# Altium PCB graviton.PcbDoc (part 2 of 15)
Units mm, origin at the board's own origin, x right, y up, seen from the top; angles counter-clockwise.
Board outline 200 x 200 mm, 10 copper layers (TOP, POLYGON1, S1, POLYGON2, POLYGON3, POLYGON4, POLYGON5, S2, POLYGON6, BOT), stack 1.751 mm thick; 1317 components, 712 nets, 5121 pads, 3994 vias.
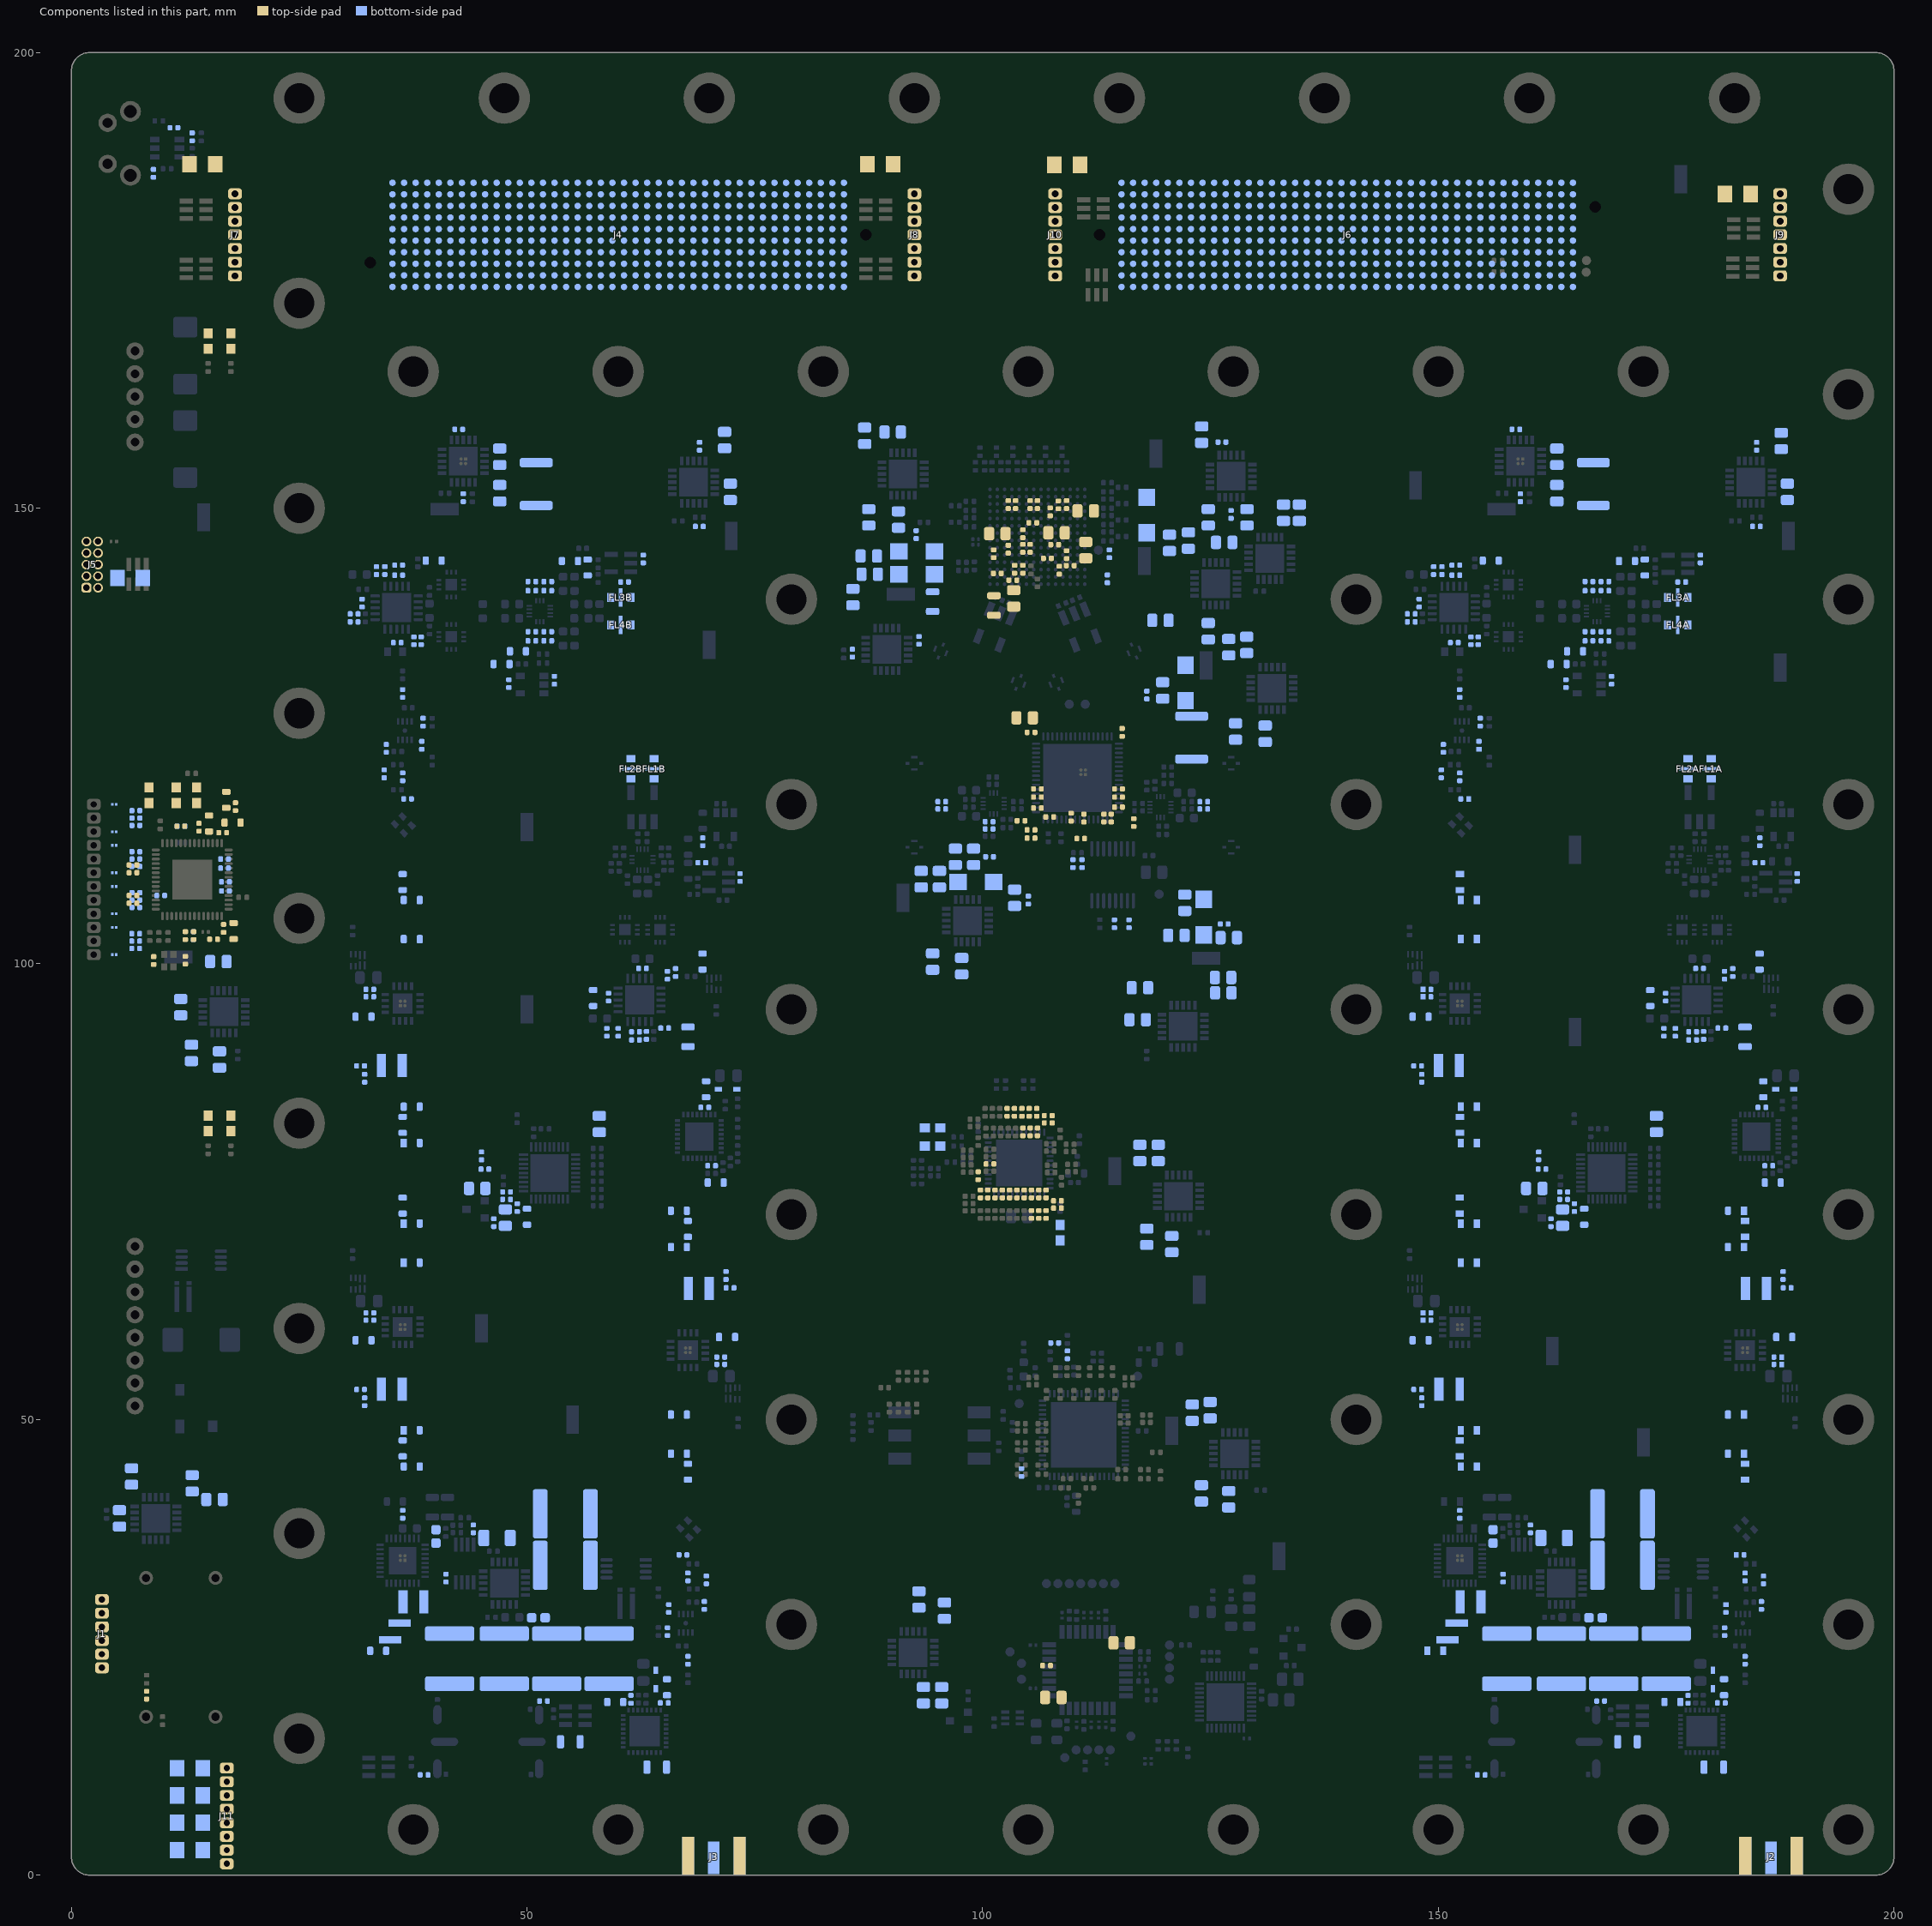
[diagram p10: the components of this part, seen from the top]

## Components (designator, comment, footprint, x,y, rotation, side; value= is the part's Value field where it differs from the comment) (continued)
C164 "GRM155R71C104KA88J" CAPC100X50X55L25N#1 100.792,78.05 r180 top value=100nF
C165 "GRM155R61A105KE15" CAPC100X50X55L25N#1 99.5,76.75 r90 top value=1uF
C166 "GRM155R71H103KA88" CAPC100X50X55L25N#1 104.4,81.558 r90 top value=10nF
C167 "GRM155R71H103KA88" CAPC100X50X55L25N#1 105.2,81.558 r90 top value=10nF
C168 "GRM155R71C104KA88J" CAPC100X50X55L25N#1 106,81.558 r90 top value=100nF
C169 "GRM155R71C104KA88J" CAPC100X50X55L25N#1 107.192,82.55 r180 top value=100nF
C170 "GRM155R61A105KE15" CAPC100X50X55L25N#1 107.192,83.35 r180 top value=1uF
C171 "GRM155R71H103KA88" CAPC100X50X55L25N#1 108.2,73.2 r180 top value=10nF
C172 "GRM155R71H103KA88" CAPC100X50X55L25N#1 108.2,74 r180 top value=10nF
C173 "GRM155R71C104KA88J" CAPC100X50X55L25N#1 106.15,72.5 r90 top value=100nF
C174 "GRM155R71C104KA88J" CAPC100X50X55L25N#1 106.95,72.5 r90 top value=100nF
C175 "GRM155R61A105KE15" CAPC100X50X55L25N#1 105.35,72.5 r90 top value=1uF
C176 "GRM155R71H103KA88" CAPC100X50X55L25N#1 100.55,74.75 r270 top value=10nF
C177 "GRM155R71H103KA88" CAPC100X50X55L25N#1 99.75,74.75 r270 top value=10nF
C178 "GRM155R71C104KA88J" CAPC100X50X55L25N#1 102.15,74.75 r270 top value=100nF
C179 "GRM155R71C104KA88J" CAPC100X50X55L25N#1 101.35,74.75 r270 top value=100nF
C180 "GRM155R61A105KE15" CAPC100X50X55L25N#1 102.95,74.75 r270 top value=1uF
C181 "GRM155R71H103KA88" CAPC100X50X55L25N#1 103.475,83.708 r270 top value=10nF
C182 "GRM155R71H103KA88" CAPC100X50X55L25N#1 102.675,83.708 r270 top value=10nF
C183 "GRM155R71C104KA88J" CAPC100X50X55L25N#1 105.1,83.708 r270 top value=100nF
C184 "GRM155R71C104KA88J" CAPC100X50X55L25N#1 104.3,83.708 r270 top value=100nF
C185 "GRM155R61A105KE15" CAPC100X50X55L25N#1 105.925,83.708 r270 top value=1uF
C186 "GRM155R71H103KA88" CAPC100X50X55L25N#1 104.55,74.75 r270 top value=10nF
C187 "GRM155R71H103KA88" CAPC100X50X55L25N#1 103.75,74.75 r270 top value=10nF
C188 "GRM155R71C104KA88J" CAPC100X50X55L25N#1 106.15,74.75 r270 top value=100nF
C189 "GRM155R71C104KA88J" CAPC100X50X55L25N#1 105.35,74.75 r270 top value=100nF
C190 "GRM155R61A105KE15" CAPC100X50X55L25N#1 106.95,74.75 r270 top value=1uF
C191A "06031C103JAT2A" CAPC1608X90N 156,37.175 r90 bottom value=10nF (schematic designator C191)
C191B "06031C103JAT2A" CAPC1608X90N 40,37.175 r90 bottom value=10nF (schematic designator C191)
C192A "GRM155R61A105KE15" CAPC100X50X55L25N#1 189.375,109.475 r270 bottom value=1uF (schematic designator C192)
C192B "GRM155R61A105KE15" CAPC100X50X55L25N#1 73.375,109.475 r270 bottom value=1uF (schematic designator C192)
C193 "GRM155R71C104KA88J" CAPC100X50X55L25N#1 110.75,113.75 r0 top value=100nF
C198A "C5750X7R2A475K230KA" CAPC570X500X230L57N 157.5,23.75 r90 bottom value=4.7uF (schematic designator C198)
C198B "C5750X7R2A475K230KA" CAPC570X500X230L57N 41.5,23.75 r90 bottom value=4.7uF (schematic designator C198)
C201A "GRM155R71C104KA88J" CAPC100X50X55L25N#1 124.25,117.8 r180 bottom value=100nF (schematic designator C201)
C201B "GRM155R71C104KA88J" CAPC100X50X55L25N#1 95.5,117 r0 bottom value=100nF (schematic designator C201)
C202A "251R14S3R3BV4T" CAPC160X80X90L20N#1 149.66,24.615 r0 bottom value=3.3pF (schematic designator C202)
C202B "251R14S3R3BV4T" CAPC160X80X90L20N#2 33.66,24.615 r0 bottom value=3.3pF (schematic designator C202)
C203A "GRM155R71C104KA88J" CAPC100X50X55L25N#1 124.25,117 r180 bottom value=100nF (schematic designator C203)
C203B "GRM155R71C104KA88J" CAPC100X50X55L25N#1 95.5,117.8 r0 bottom value=100nF (schematic designator C203)
C204 "CGA2B2NP01H102J050BA" CAPC100X50X55L25N#1 100.7,115.6 r0 bottom value=1nF
C205 "GRM155R71H103KA88" CAPC100X50X55L25N#1 100.7,114.8 r0 bottom value=10nF
C206A "ZRB18AR61E106ME01L" CAPC160X80X90L20N#2 185.25,100.25 r270 bottom value=10uF (schematic designator C206)
C206B "ZRB18AR61E106ME01L" CAPC160X80X90L20N#2 69.25,100.25 r270 bottom value=10uF (schematic designator C206)
C207A "C5750X7R2A475K230KA" CAPC570X500X230L57N 169.25,23.75 r90 bottom value=4.7uF (schematic designator C207)
C207B "C5750X7R2A475K230KA" CAPC570X500X230L57N 53.25,23.75 r90 bottom value=4.7uF (schematic designator C207)
C208A "CBR04C101F3GAC" CAPC100X50X55L25N#1 174.75,92.5 r270 bottom value=100pF (schematic designator C208)
C208B "CBR04C101F3GAC" CAPC100X50X55L25N#1 58.75,92.5 r270 bottom value=100pF (schematic designator C208)
C209A "CBR04C101F3GAC" CAPC100X50X55L25N#1 149.475,143.15 r90 bottom value=100pF (schematic designator C209)
C209B "CBR04C101F3GAC" CAPC100X50X55L25N#1 33.475,143.15 r90 bottom value=100pF (schematic designator C209)
C210A "GRM155R71H103KA88" CAPC100X50X55L25N#1 187.825,65.8 r270 bottom value=10nF (schematic designator C210)
C210B "GRM155R71H103KA88" CAPC100X50X55L25N#1 148.175,87.45 r90 bottom value=10nF (schematic designator C210)
C210C "GRM155R71H103KA88" CAPC100X50X55L25N#1 148.175,51.95 r90 bottom value=10nF (schematic designator C210)
C210D "GRM155R71H103KA88" CAPC100X50X55L25N#1 71.825,65.8 r270 bottom value=10nF (schematic designator C210)
C210E "GRM155R71H103KA88" CAPC100X50X55L25N#1 32.175,87.45 r90 bottom value=10nF (schematic designator C210)
C210F "GRM155R71H103KA88" CAPC100X50X55L25N#1 32.175,51.95 r90 bottom value=10nF (schematic designator C210)
C211A "GRM155R71C104KA88J" CAPC100X50X55L25N#1 188.275,64.45 r180 bottom value=100nF (schematic designator C211)
C211B "GRM155R71C104KA88J" CAPC100X50X55L25N#1 147.725,88.8 r0 bottom value=100nF (schematic designator C211)
C211C "GRM155R71C104KA88J" CAPC100X50X55L25N#1 147.725,53.3 r0 bottom value=100nF (schematic designator C211)
C211D "GRM155R71C104KA88J" CAPC100X50X55L25N#1 72.275,64.45 r180 bottom value=100nF (schematic designator C211)
C211E "GRM155R71C104KA88J" CAPC100X50X55L25N#1 31.725,88.8 r0 bottom value=100nF (schematic designator C211)
C211F "GRM155R71C104KA88J" CAPC100X50X55L25N#1 31.725,53.3 r0 bottom value=100nF (schematic designator C211)
C212A "GRM155R71H103KA88" CAPC100X50X55L25N#1 157.1,32.6 r90 bottom value=10nF (schematic designator C212)
C212B "GRM155R71H103KA88" CAPC100X50X55L25N#1 41.1,32.6 r90 bottom value=10nF (schematic designator C212)
C213A "GRM155R71H103KA88" CAPC100X50X55L25N#1 160.1,38 r90 bottom value=10nF (schematic designator C213)
C213B "GRM155R71H103KA88" CAPC100X50X55L25N#1 44.1,38 r90 bottom value=10nF (schematic designator C213)
C214 "C4532X5R1A107M280KC" CAPC450X320X360L20N 122.925,124.825 r90 bottom value=100uF
C215 "CL21B106KOQNNNE" CAPC200X125X145L45N 104.6,127 r180 top value=10uF
C216 "#NAME?" CAPC200X125X145L45N 119.75,130 r90 bottom value=1uF
C217 "CC0402KRX7R8BB104" CAPC100X50X55L25N#1 118,129.5 r90 bottom value=100nF
C218 "C1005X7R1E224K050BE" CAPC100X50X55L25N#1 115.3,125.4 r270 top value=220nF
C219 "C1005X7R1E224K050BE" CAPC100X50X55L25N#1 105.3,125.4 r180 top value=220nF
C220 "C1005X7R1E224K050BE" CAPC100X50X55L25N#1 114.9,119.2 r180 top value=220nF
C221 "CL21B106KOQNNNE" CAPC200X125X145L45N 121.25,103.125 r180 bottom value=10uF
C222 "#NAME?" CAPC200X125X145L45N 127,102.875 r0 bottom value=1uF
C223 "GRM155R71H103KA88" CAPC100X50X55L25N#1 126.5,104.375 r0 bottom value=10nF
C224 "CL21B106KOQNNNE" CAPC200X125X145L45N 122.175,106.7 r270 bottom value=10uF
C225 "C1005X7R1E224K050BE" CAPC100X50X55L25N#1 114.1,116 r90 top value=220nF
C226 "C1005X7R1E224K050BE" CAPC100X50X55L25N#1 113.3,116 r90 top value=220nF
C227 "C1005X7R1E224K050BE" CAPC100X50X55L25N#1 105.3,113.8 r180 top value=220nF
C228 "C1005X7R1E224K050BE" CAPC100X50X55L25N#1 105.3,114.7 r180 top value=220nF
C229 "CL21B106KOQNNNE" CAPC200X125X145L45N 99,111.75 r90 bottom value=10uF
C230 "#NAME?" CAPC200X125X145L45N 97,111.75 r90 bottom value=1uF
C231 "GRM155R71H103KA88" CAPC100X50X55L25N#1 100.75,111.75 r0 bottom value=10nF
C232 "CL21B106KOQNNNE" CAPC200X125X145L45N 103.5,107.25 r270 bottom value=10uF
C233 "C1005X7R1E224K050BE" CAPC100X50X55L25N#1 104.2,115.7 r180 top value=220nF
C234 "C1005X7R1E224K050BE" CAPC100X50X55L25N#1 105,107 r270 bottom value=220nF
C235 "C1005X7R1E224K050BE" CAPC100X50X55L25N#1 116.575,115.5 r270 top value=220nF
C236 "CC0402KRX7R8BB104" CAPC100X50X55L25N#1 107.35,116.125 r0 top value=100nF
C237 "CC0402KRX7R8BB104" CAPC100X50X55L25N#1 106,119.2 r0 top value=100nF
C238 "CC0402KRX7R8BB104" CAPC100X50X55L25N#1 114.9,117.2 r180 top value=100nF
C239 "CC0402KRX7R8BB104" CAPC100X50X55L25N#1 114.9,118.3 r180 top value=100nF
C240 "CC0402KRX7R8BB104" CAPC100X50X55L25N#1 106,117.1 r0 top value=100nF
C241 "CC0402KRX7R8BB104" CAPC100X50X55L25N#1 106,118.3 r0 top value=100nF
C242 "CC0402KRX7R8BB104" CAPC100X50X55L25N#1 109.7,116.1 r90 top value=100nF
C243 "CC0402KRX7R8BB104" CAPC100X50X55L25N#1 111.1,116 r90 top value=100nF
C244A "GRM155R71H103KA88" CAPC100X50X55L25N#1 162.35,71.6 r270 bottom value=10nF (schematic designator C244)
C244B "GRM155R71H103KA88" CAPC100X50X55L25N#1 46.35,71.6 r270 bottom value=10nF (schematic designator C244)
C245A "GRM155R71H103KA88" CAPC100X50X55L25N#1 163.75,74.15 r0 bottom value=10nF (schematic designator C245)
C245B "GRM155R71H103KA88" CAPC100X50X55L25N#1 47.75,74.15 r0 bottom value=10nF (schematic designator C245)
C253A "ZRB18AR61E106ME01L" CAPC160X80X90L20N#2 187.95,59.05 r180 bottom value=10uF (schematic designator C253)
C253B "ZRB18AR61E106ME01L" CAPC160X80X90L20N#2 148.05,94.2 r0 bottom value=10uF (schematic designator C253)
C253C "ZRB18AR61E106ME01L" CAPC160X80X90L20N#2 148.05,58.7 r0 bottom value=10uF (schematic designator C253)
C253D "ZRB18AR61E106ME01L" CAPC160X80X90L20N#2 71.95,59.05 r180 bottom value=10uF (schematic designator C253)
C253E "ZRB18AR61E106ME01L" CAPC160X80X90L20N#2 32.05,94.2 r0 bottom value=10uF (schematic designator C253)
C253F "ZRB18AR61E106ME01L" CAPC160X80X90L20N#2 32.05,58.7 r0 bottom value=10uF (schematic designator C253)
C254A "GRM155R71H103KA88" CAPC100X50X55L25N#2 187.25,56.85 r180 bottom value=10nF (schematic designator C254)
C254B "GRM155R71H103KA88" CAPC100X50X55L25N#2 148.75,96.4 r0 bottom value=10nF (schematic designator C254)
C254C "GRM155R71H103KA88" CAPC100X50X55L25N#2 148.75,60.9 r0 bottom value=10nF (schematic designator C254)
C254D "GRM155R71H103KA88" CAPC100X50X55L25N#1 71.25,56.85 r180 bottom value=10nF (schematic designator C254)
C254E "GRM155R71H103KA88" CAPC100X50X55L25N#1 32.75,96.4 r0 bottom value=10nF (schematic designator C254)
C254F "GRM155R71H103KA88" CAPC100X50X55L25N#1 32.75,60.9 r0 bottom value=10nF (schematic designator C254)
C255A "GRM155R71C104KA88J" CAPC100X50X55L25N#2 187.25,56.05 r180 bottom value=100nF (schematic designator C255)
C255B "GRM155R71C104KA88J" CAPC100X50X55L25N#2 148.75,97.2 r0 bottom value=100nF (schematic designator C255)
C255C "GRM155R71C104KA88J" CAPC100X50X55L25N#2 148.75,61.7 r0 bottom value=100nF (schematic designator C255)
C255D "GRM155R71C104KA88J" CAPC100X50X55L25N#1 71.25,56.05 r180 bottom value=100nF (schematic designator C255)
C255E "GRM155R71C104KA88J" CAPC100X50X55L25N#1 32.75,97.2 r0 bottom value=100nF (schematic designator C255)
C255F "GRM155R71C104KA88J" CAPC100X50X55L25N#1 32.75,61.7 r0 bottom value=100nF (schematic designator C255)
C256A "GQM1885C1H150JB01D" CAPC160X80X90L20N#3 183.65,44.275 r90 bottom value=15pF (schematic designator C256)
C256B "GQM1885C1H150JB01D" CAPC160X80X90L20N#1 152.35,108.975 r270 bottom value=15pF (schematic designator C256)
C256C "GQM1885C1H150JB01D" CAPC160X80X90L20N#3 152.35,73.475 r270 bottom value=15pF (schematic designator C256)
C256D "GQM1885C1H150JB01D" CAPC160X80X90L20N#2 67.65,44.275 r90 bottom value=15pF (schematic designator C256)
C256E "GQM1885C1H150JB01D" CAPC160X80X90L20N#2 36.35,108.975 r270 bottom value=15pF (schematic designator C256)
C256F "GQM1885C1H150JB01D" CAPC160X80X90L20N#2 36.35,73.475 r270 bottom value=15pF (schematic designator C256)
C257A "GQM1885C1H150JB01D" CAPC160X80X90L20N#1 183.65,70.919 r90 bottom value=15pF (schematic designator C257)
C257B "GQM1885C1H150JB01D" CAPC160X80X90L20N#1 152.35,82.331 r270 bottom value=15pF (schematic designator C257)
C257C "GQM1885C1H150JB01D" CAPC160X80X90L20N#3 152.35,46.831 r270 bottom value=15pF (schematic designator C257)
C257D "GQM1885C1H150JB01D" CAPC160X80X90L20N#2 67.65,70.919 r90 bottom value=15pF (schematic designator C257)
C257E "GQM1885C1H150JB01D" CAPC160X80X90L20N#2 36.35,82.331 r270 bottom value=15pF (schematic designator C257)
C257F "GQM1885C1H150JB01D" CAPC160X80X90L20N#2 36.35,46.831 r270 bottom value=15pF (schematic designator C257)
C258A "06032U5R6BAT2A" CAPC160X80X90L20N#4 182.658,68.926 r0 bottom value=5.6pF (schematic designator C258)
C258B "06032U5R6BAT2A" CAPC160X80X90L20N#1 153.342,84.324 r180 bottom value=5.6pF (schematic designator C258)
C258C "06032U5R6BAT2A" CAPC160X80X90L20N#1 153.342,48.824 r180 bottom value=5.6pF (schematic designator C258)
C258D "06032U5R6BAT2A" CAPC160X80X90L20N#2 66.658,68.926 r0 bottom value=5.6pF (schematic designator C258)
C258E "06032U5R6BAT2A" CAPC160X80X90L20N#2 37.342,84.324 r180 bottom value=5.6pF (schematic designator C258)
C258F "06032U5R6BAT2A" CAPC160X80X90L20N#4 37.342,48.824 r180 bottom value=5.6pF (schematic designator C258)
C259A "06032U3R9BAT2A" CAPC160X80X90L20N#4 182.658,50.537 r0 bottom value=3.9pF (schematic designator C259)
C259B "06032U3R9BAT2A" CAPC160X80X90L20N#1 153.342,102.713 r180 bottom value=3.9pF (schematic designator C259)
C259C "06032U3R9BAT2A" CAPC160X80X90L20N#1 153.342,67.213 r180 bottom value=3.9pF (schematic designator C259)
C259D "06032U3R9BAT2A" CAPC160X80X90L20N#2 66.658,50.537 r0 bottom value=3.9pF (schematic designator C259)
C259E "06032U3R9BAT2A" CAPC160X80X90L20N#2 37.342,102.713 r180 bottom value=3.9pF (schematic designator C259)
C259F "06032U3R9BAT2A" CAPC160X80X90L20N#4 37.342,67.213 r180 bottom value=3.9pF (schematic designator C259)
C260A "06032U6R8BAT2A" CAPC160X80X90L20N#4 182.658,46.244 r0 bottom value=6.8pF (schematic designator C260)
C260B "06032U6R8BAT2A" CAPC160X80X90L20N#1 153.342,107.006 r180 bottom value=6.8pF (schematic designator C260)
C260C "06032U6R8BAT2A" CAPC160X80X90L20N#1 153.342,71.506 r180 bottom value=6.8pF (schematic designator C260)
C260D "06032U6R8BAT2A" CAPC160X80X90L20N#2 66.658,46.244 r0 bottom value=6.8pF (schematic designator C260)
C260E "06032U6R8BAT2A" CAPC160X80X90L20N#2 37.342,107.006 r180 bottom value=6.8pF (schematic designator C260)
C260F "06032U6R8BAT2A" CAPC160X80X90L20N#4 37.342,71.506 r180 bottom value=6.8pF (schematic designator C260)
C261A "06032U3R9BAT2A" CAPC160X80X90L20N#4 182.658,72.912 r0 bottom value=3.9pF (schematic designator C261)
C261B "06032U3R9BAT2A" CAPC160X80X90L20N#1 153.342,80.338 r180 bottom value=3.9pF (schematic designator C261)
C261C "06032U3R9BAT2A" CAPC160X80X90L20N#1 153.342,44.838 r180 bottom value=3.9pF (schematic designator C261)
C261D "06032U3R9BAT2A" CAPC160X80X90L20N#2 66.658,72.912 r0 bottom value=3.9pF (schematic designator C261)
C261E "06032U3R9BAT2A" CAPC160X80X90L20N#4 37.342,80.338 r180 bottom value=3.9pF (schematic designator C261)
C261F "06032U3R9BAT2A" CAPC160X80X90L20N#2 37.342,44.838 r180 bottom value=3.9pF (schematic designator C261)
C262 "CL21B106KOQNNNE" CAPC200X125X145L45N 111.3,149.7 r0 top value=10uF
C263 "C1005X7R1E224K050BE" CAPC100X50X55L25N#1 105.2,150.4 r90 top value=220nF
C264 "C1005X7R1E224K050BE" CAPC100X50X55L25N#1 102.8,150.4 r90 top value=220nF
C265 "C1005X7R1E224K050BE" CAPC100X50X55L25N#1 106,150.4 r90 top value=220nF
C266 "C1005X7R1E224K050BE" CAPC100X50X55L25N#1 109.2,150.4 r90 top value=220nF
C267 "CL21B106KOQNNNE" CAPC200X125X145L45N 111.3,145.4 r90 top value=10uF
C268 "C1005X7R1E224K050BE" CAPC100X50X55L25N#1 108.4,143.2 r270 top value=220nF
C269 "C1005X7R1E224K050BE" CAPC100X50X55L25N#1 104.4,143.3 r270 top value=220nF
C270 "C1005X7R1E224K050BE" CAPC100X50X55L25N#1 109.2,144.9 r90 top value=220nF
C271 "C1005X7R1E224K050BE" CAPC100X50X55L25N#1 109.6,143.7 r0 top value=220nF
C272 "C1005X7R1E224K050BE" CAPC100X50X55L25N#1 107.1,144.5 r0 top value=220nF
C273 "C1005X7R1E224K050BE" CAPC100X50X55L25N#1 103.5,143.3 r270 top value=220nF
C274 "C1005X7R1E224K050BE" CAPC100X50X55L25N#1 104.4,145.6 r90 top value=220nF
C275 "C1005X7R1E224K050BE" CAPC100X50X55L25N#1 102.8,145.5 r90 top value=220nF
C276 "CC0402KRX7R8BB104" CAPC100X50X55L25N#1 101.2,145 r90 top value=100nF
C277 "CL21B106KOQNNNE" CAPC200X125X145L45N 108.1,147.3 r0 top value=10uF
C278 "C1005X7R1E224K050BE" CAPC100X50X55L25N#1 105.5,148.4 r0 top value=220nF
C279 "C1005X7R1E224K050BE" CAPC100X50X55L25N#1 108.3,150.37 r90 top value=220nF
C280 "C1005X7R1E224K050BE" CAPC100X50X55L25N#1 103.6,150.4 r90 top value=220nF
C281 "C1005X7R1E224K050BE" CAPC100X50X55L25N#1 107.4,149.6 r90 top value=220nF
C282 "#NAME?" CAPC200X125X145L45N 87.6,142.75 r180 bottom value=1uF
C283 "GRM155R71H103KA88" CAPC100X50X55L25N#1 92.7,147.1 r90 bottom value=10nF
C284 "CL21B106KOQNNNE" CAPC200X125X145L45N 101.6,147.2 r180 top value=10uF
C285 "C1005X7R1E224K050BE" CAPC100X50X55L25N#1 107.9,146 r180 top value=220nF
C286 "C1005X7R1E224K050BE" CAPC100X50X55L25N#1 104.4,147.2 r90 top value=220nF
C287 "C1005X7R1E224K050BE" CAPC100X50X55L25N#1 105.2,145.6 r90 top value=220nF
C288 "EMK212BB7106MG" CAPC2012X145N 94.5,139.75 r90 bottom value=10uF
C289 "TMK212B7105KG" CAPC200X125X145L45N 103.4,140.1 r90 top value=1uF
C290 "GRM155R71H103KA88" CAPC100X50X55L25N#1 103.3,142.1 r180 top value=10nF
C291 "EMK212BB7106MG" CAPC2012X145N 101.225,139.325 r90 top value=10uF
C292 "C1005X7R1E224K050BE" CAPC100X50X55L25N#1 101.6,142.85 r0 top value=220nF
C293A "GRM155R71H103KA88" CAPC100X50X55L25N#1 186.25,77.85 r180 bottom value=10nF (schematic designator C293)
C293B "GRM155R71H103KA88" CAPC100X50X55L25N#1 70.25,77.85 r180 bottom value=10nF (schematic designator C293)
C294A "ZRB18AR61E106ME01L" CAPC160X80X90L20N#2 186.695,76 r180 bottom value=10uF (schematic designator C294)
C294B "ZRB18AR61E106ME01L" CAPC160X80X90L20N#2 70.695,76 r180 bottom value=10uF (schematic designator C294)
C295A "GRM155R71H103KA88" CAPC100X50X55L25N#1 185.5,84.25 r180 bottom value=10nF (schematic designator C295)
C295B "GRM155R71H103KA88" CAPC100X50X55L25N#1 69.5,84.25 r180 bottom value=10nF (schematic designator C295)
C296A "ZRB18AR61E106ME01L" CAPC160X80X90L20N#2 185.65,86.244 r270 bottom value=10uF (schematic designator C296)
C296B "ZRB18AR61E106ME01L" CAPC160X80X90L20N#2 69.65,86.244 r270 bottom value=10uF (schematic designator C296)
C320A "GRM155R71H103KA88" CAPC100X50X55L25N#1 164,130.75 r90 bottom value=10nF (schematic designator C320)
C320B "GRM155R71H103KA88" CAPC100X50X55L25N#1 48,130.75 r90 bottom value=10nF (schematic designator C320)
C321A "ZRB18AR61E106ME01L" CAPC160X80X90L20N#2 163.2,132.9 r0 bottom value=10uF (schematic designator C321)
C321B "ZRB18AR61E106ME01L" CAPC160X80X90L20N#2 47.2,132.9 r0 bottom value=10uF (schematic designator C321)
C322A "GRM155R61A105KE15" CAPC100X50X55L25N#1 169,131.12 r90 bottom value=1uF (schematic designator C322)
C322B "GRM155R61A105KE15" CAPC100X50X55L25N#1 53,131.12 r90 bottom value=1uF (schematic designator C322)
C323A "CGA2B2NP01H102J050BA" CAPC100X50X55L25N#1 166.525,136.45 r0 bottom value=1nF (schematic designator C323)
C323B "CGA2B2NP01H102J050BA" CAPC100X50X55L25N#1 50.525,136.45 r0 bottom value=1nF (schematic designator C323)
C324A "CGA2B2NP01H102J050BA" CAPC100X50X55L25N#1 166.525,140.95 r0 bottom value=1nF (schematic designator C324)
C324B "CGA2B2NP01H102J050BA" CAPC100X50X55L25N#1 50.525,140.95 r0 bottom value=1nF (schematic designator C324)
C325A "GRM155R71H103KA88" CAPC100X50X55L25N#1 166.525,135.45 r0 bottom value=10nF (schematic designator C325)
C325B "GRM155R71H103KA88" CAPC100X50X55L25N#1 50.525,135.45 r0 bottom value=10nF (schematic designator C325)
C326A "GRM155R71H103KA88" CAPC100X50X55L25N#1 166.525,141.95 r0 bottom value=10nF (schematic designator C326)
C326B "GRM155R71H103KA88" CAPC100X50X55L25N#1 50.525,141.95 r0 bottom value=10nF (schematic designator C326)
C327A "ZRB18AR61E106ME01L" CAPC160X80X90L20N#2 165,134.3 r0 bottom value=10uF (schematic designator C327)
C327B "ZRB18AR61E106ME01L" CAPC160X80X90L20N#2 49,134.3 r0 bottom value=10uF (schematic designator C327)
C328A "GRM155R71H103KA88" CAPC100X50X55L25N#1 176.7,141.9 r180 bottom value=10nF (schematic designator C328)
C328B "GRM155R71H103KA88" CAPC100X50X55L25N#1 60.7,141.9 r180 bottom value=10nF (schematic designator C328)